# Altium PCB M2FS FLS Data Formatter 8_14_2012.PcbDoc (part 2 of 3)
Units mil, origin at the board's own origin, x right, y up, seen from the top; angles counter-clockwise.
Board outline 3350 x 3370 mil, 8 copper layers (Top Layer, Internal Plane 1, Mid-Layer 1, Mid-Layer 2, MidLayer3, Mid-Layer 4, Internal Plane 2, Bottom Layer), stack 60.7 mil thick; 134 components, 130 nets, 795 pads, 50 vias.
Unrouted connection lines stored in the file: 81.
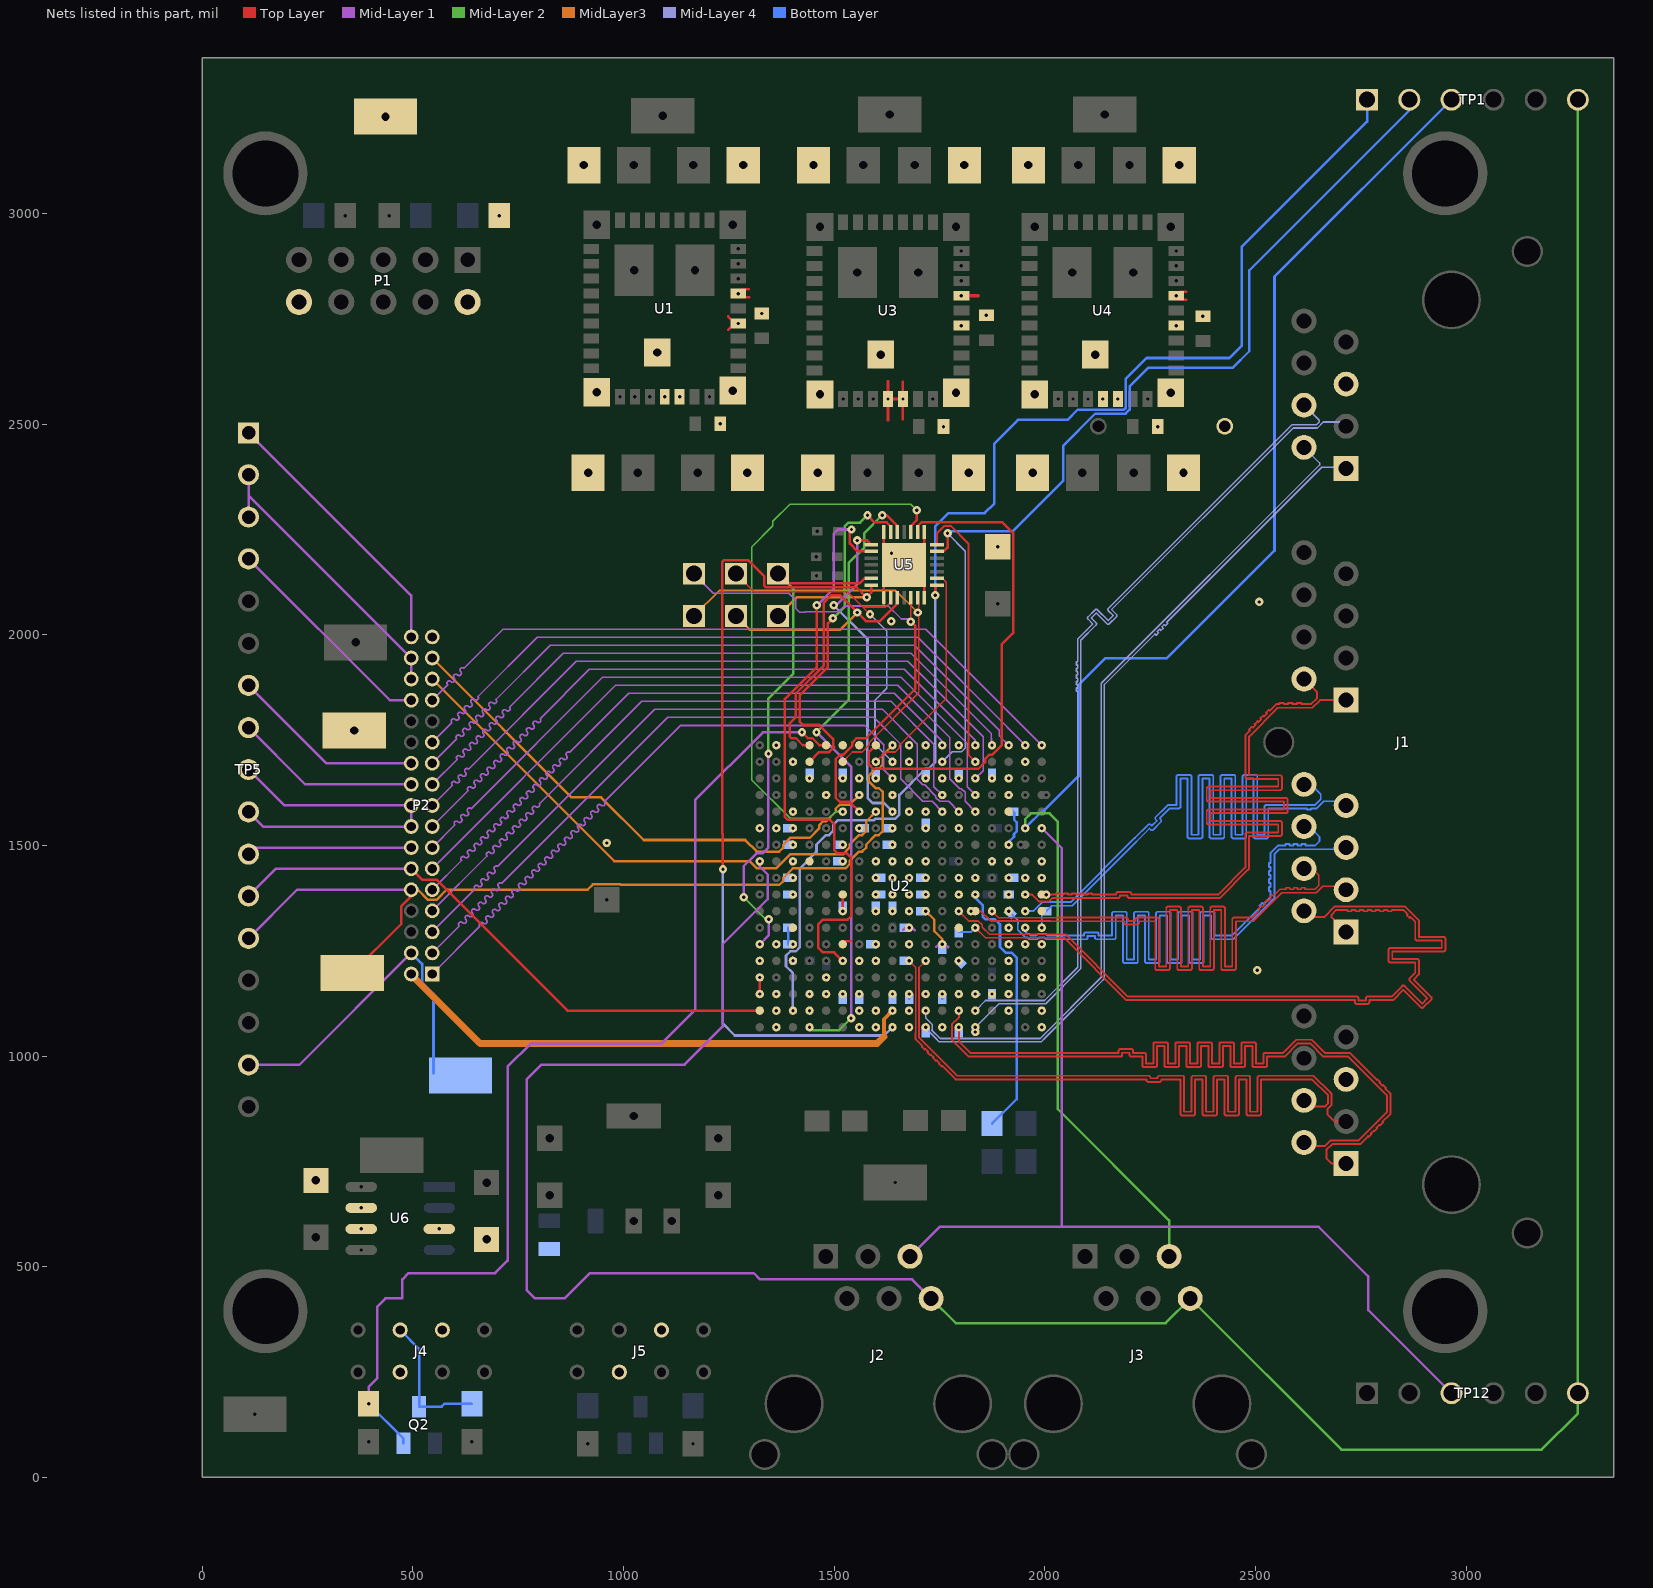
[diagram p8: the nets of this part, all layers, seen from the top]

## Via types
v1: diameter 20, hole 8, Top Layer to Bottom Layer, 49 vias
v2: diameter 20, hole 8, Top Layer to Bottom Layer, tented bottom, 1 vias

## Nets (pads, with @x,y where several pads share a name; then routed paths per layer and width w, separated by ;. In a path a pad name is that pad's centre, name@x,y a point inside that pad or via, vN(x,y) a via of type N, cw(c..) or ccw(c..) an arc to the next point about the centre after c; other vN are vias at no path point) (continued)
CAM_CLKA: P2.2 U2.U9 | length 1268.2
  MidLayer3 w9: 1618,1046 1618,1087.72 U2.U9@1638.32,1108.04
  MidLayer3 w16: P2.2@496,1195 496,1193.74 659.74,1030 1602,1030 1618,1046
CAM_D0: P2.23 U2.A17 | length 1665.1
  Mid-Layer 1 w4: P2.23@546,1745 592.5,1791.5 cw(c596.39,1795.39) 600.28,1799.28 ccw(c604.17,1803.17) 608.06,1807.06 cw(c611.95,1810.95) 615.83,1814.83 ccw(c619.72,1818.72) 623.61,1822.61 cw(c627.5,1826.5) 631.39,1830.39 ccw(c635.28,1834.28) 639.17,1838.17 cw(c643.06,1842.06) 646.95,1845.95 ccw(c649.99,1850.69) 654.73,1853.73 795,1994 1697.9,1994 1910.5,1781.4 1910.5,1780.74 U2.A17@1953.28,1737.96
CAM_D1: P2.21 U2.A16 | length 1665.1
  Mid-Layer 1 w4: P2.21@546,1695 604,1753 cw(c607.89,1756.89) 611.78,1760.78 ccw(c615.67,1764.67) 619.56,1768.56 cw(c623.45,1772.45) 627.33,1776.33 ccw(c631.22,1780.22) 635.11,1784.11 cw(c639,1788) 642.89,1791.89 ccw(c646.78,1795.78) 650.67,1799.67 cw(c654.56,1803.56) 658.45,1807.45 ccw(c662.34,1811.34) 666.23,1815.23 cw(c670.11,1819.11) 674,1823 ccw(c677.89,1826.89) 681.78,1830.78 cw(c685.67,1834.67) 689.56,1838.56 ccw(c693.43,1842.47) 697.34,1846.34 826,1975 1690.03,1975 1891.5,1773.53 1891.5,1762.24 1892.17,1761.57 1892.17,1759.7 U2.A16@1913.91,1737.96
CAM_D2: P2.19 U2.A15 | length 1663.2
  Mid-Layer 1 w4: P2.19@546,1645 605,1704 cw(c608.89,1707.89) 612.78,1711.78 ccw(c616.67,1715.67) 620.56,1719.56 cw(c624.45,1723.45) 628.33,1727.33 ccw(c632.22,1731.22) 636.11,1735.11 cw(c640,1739) 643.89,1742.89 ccw(c647.78,1746.78) 651.67,1750.67 cw(c655.56,1754.56) 659.45,1758.45 ccw(c663.34,1762.34) 667.23,1766.23 cw(c671.11,1770.11) 675,1774 ccw(c678.89,1777.89) 682.78,1781.78 cw(c686.67,1785.67) 690.56,1789.56 ccw(c694.45,1793.45) 698.34,1797.34 cw(c702.23,1801.23) 706.12,1805.12 ccw(c710.01,1809.01) 713.89,1812.89 cw(c717.78,1816.78) 721.67,1820.67 ccw(c725.56,1824.56) 729.45,1828.45 857,1956 1682.16,1956 1872.5,1765.66 1872.5,1754.37 1873.17,1753.7 1873.17,1747.7 1874,1746.87 1874,1738.5 U2.A15@1874.54,1737.96
CAM_D3: P2.17 U2.C14 | length 1660.9
  Mid-Layer 1 w3.5: U2.C14@1835.17,1659.22 1853.5,1677.55 1853.5,1757.79
  Mid-Layer 1 w4: P2.17@546,1595 593.5,1642.5 cw(c597.39,1646.39) 601.28,1650.28 ccw(c605.17,1654.17) 609.06,1658.06 cw(c612.95,1661.95) 616.83,1665.83 ccw(c620.72,1669.72) 624.61,1673.61 cw(c628.5,1677.5) 632.39,1681.39 888,1937 1674.29,1937 1853.5,1757.79
CAM_D4: P2.15 U2.A14 | length 1663
  Mid-Layer 1 w4: P2.15@546,1545 631,1630 cw(c634.89,1633.89) 638.78,1637.78 ccw(c642.67,1641.67) 646.56,1645.56 cw(c650.45,1649.45) 654.33,1653.33 ccw(c658.22,1657.22) 662.11,1661.11 cw(c666,1665) 669.89,1668.89 ccw(c673.78,1672.78) 677.67,1676.67 cw(c681.56,1680.56) 685.45,1684.45 ccw(c689.34,1688.34) 693.23,1692.23 cw(c697.11,1696.11) 701,1700 ccw(c704.89,1703.89) 708.78,1707.78 cw(c712.67,1711.67) 716.56,1715.56 ccw(c720.45,1719.45) 724.34,1723.34 cw(c728.23,1727.23) 732.12,1731.12 ccw(c736.01,1735.01) 739.89,1738.89 cw(c743.78,1742.78) 747.67,1746.67 ccw(c751.56,1750.56) 755.45,1754.45 cw(c759.34,1758.34) 763.23,1762.23 ccw(c767.12,1766.12) 771.01,1770.01 cw(c774.9,1773.9) 778.79,1777.79 ccw(c782.67,1781.67) 786.56,1785.56 cw(c790.45,1789.45) 794.34,1793.34 ccw(c798.23,1797.23) 802.12,1801.12 919,1918 1666.42,1918 1834.5,1749.92 1834.5,1738.63 U2.A14@1835.17,1737.96
CAM_D5: P2.13 U2.D14 | length 1663.6
  Mid-Layer 1 w3.5: 1815.5,1742.05 1815.5,1639.52 U2.D14@1835.17,1619.85
  Mid-Layer 1 w4: P2.13@546,1495 599.5,1548.5 cw(c603.39,1552.39) 607.28,1556.28 ccw(c611.17,1560.17) 615.06,1564.06 cw(c618.95,1567.95) 622.83,1571.83 ccw(c626.72,1575.72) 630.61,1579.61 cw(c634.5,1583.5) 638.39,1587.39 950,1899 1658.55,1899 1815.5,1742.05
CAM_D6: P2.11 U2.E14 | length 1663
  Mid-Layer 1 w3.5: 1774.5,1756.18 1774.5,1658.95 1798.35,1635.1 1802.11,1635.1 1811.05,1626.17 1811.05,1604.6 U2.E14@1835.17,1580.48
  Mid-Layer 1 w4: P2.11@546,1445 981,1880 1650.68,1880 1774.5,1756.18
CAM_D7: P2.9 U2.A12 | length 1665.1
  Mid-Layer 1 w4: P2.9@546,1395 615.5,1464.5 cw(c619.39,1468.39) 623.28,1472.28 ccw(c627.17,1476.17) 631.06,1480.06 cw(c634.95,1483.95) 638.83,1487.83 ccw(c642.72,1491.72) 646.61,1495.61 cw(c650.5,1499.5) 654.39,1503.39 ccw(c658.28,1507.28) 662.17,1511.17 cw(c666.06,1515.06) 669.95,1518.95 ccw(c673.84,1522.84) 677.73,1526.73 cw(c681.61,1530.61) 685.5,1534.5 ccw(c689.39,1538.39) 693.28,1542.28 cw(c697.17,1546.17) 701.06,1550.06 ccw(c704.95,1553.95) 708.84,1557.84 cw(c712.73,1561.73) 716.62,1565.62 ccw(c720.51,1569.51) 724.39,1573.39 cw(c728.28,1577.28) 732.17,1581.17 ccw(c736.06,1585.06) 739.95,1588.95 cw(c743.84,1592.84) 747.73,1596.73 ccw(c751.62,1600.62) 755.51,1604.51 cw(c759.4,1608.4) 763.29,1612.29 ccw(c767.17,1616.17) 771.06,1620.06 cw(c774.95,1623.95) 778.84,1627.84 ccw(c782.73,1631.73) 786.62,1635.62 cw(c790.51,1639.51) 794.4,1643.4 ccw(c798.29,1647.29) 802.18,1651.18 cw(c806.07,1655.07) 809.95,1658.95 ccw(c813.84,1662.84) 817.73,1666.73 cw(c821.62,1670.62) 825.51,1674.51 ccw(c829.4,1678.4) 833.29,1682.29 cw(c837.18,1686.18) 841.07,1690.07 ccw(c844.96,1693.96) 848.85,1697.85 cw(c852.73,1701.73) 856.62,1705.62 ccw(c860.51,1709.51) 864.4,1713.4 cw(c869.16,1716.42) 872.18,1721.18 1012,1861 1642.81,1861 1755.5,1748.31 1755.5,1738.89 U2.A12@1756.43,1737.96
CAM_D8: P2.7 U2.D12 | length 1665.1
  Mid-Layer 1 w3.5: 1736.5,1739 1736.5,1639.78 U2.D12@1756.43,1619.85
  Mid-Layer 1 w4: P2.7@546,1345 676,1475 cw(c679.89,1478.89) 683.78,1482.78 ccw(c687.67,1486.67) 691.56,1490.56 cw(c695.45,1494.45) 699.33,1498.33 ccw(c703.22,1502.22) 707.11,1506.11 cw(c711,1510) 714.89,1513.89 ccw(c718.78,1517.78) 722.67,1521.67 cw(c726.56,1525.56) 730.45,1529.45 ccw(c734.34,1533.34) 738.23,1537.23 cw(c742.11,1541.11) 746,1545 ccw(c749.89,1548.89) 753.78,1552.78 cw(c757.67,1556.67) 761.56,1560.56 ccw(c765.45,1564.45) 769.34,1568.34 cw(c773.23,1572.23) 777.12,1576.12 ccw(c781.01,1580.01) 784.89,1583.89 cw(c788.78,1587.78) 792.67,1591.67 ccw(c795.35,1596.77) 800.45,1599.45 1043,1842 1634.94,1842 1736.5,1740.44 1736.5,1739
CAM_D9: P2.5 U2.E13 | length 1662
  Mid-Layer 1 w3.5: 1697,1739 1697,1657.71 1710.74,1643.97 1714.5,1643.97 1741.18,1617.3 1741.18,1613.53 1750.11,1604.6 1771.68,1604.6 U2.E13@1795.8,1580.48
  Mid-Layer 1 w4: P2.5@546,1295 647,1396 cw(c650.89,1399.89) 654.78,1403.78 ccw(c658.67,1407.67) 662.56,1411.56 cw(c666.45,1415.45) 670.33,1419.33 ccw(c674.22,1423.22) 678.11,1427.11 cw(c682,1431) 685.89,1434.89 ccw(c689.78,1438.78) 693.67,1442.67 cw(c698.24,1445.87) 701.45,1450.45 1074,1823 1614.57,1823 1697,1740.57 1697,1739
CAM_D10: P2.3 U2.E12 | length 1664
  Mid-Layer 1 w3.5: 1657.5,1739 1657.5,1657.84 1710.74,1604.6 1732.31,1604.6 U2.E12@1756.43,1580.48
  Mid-Layer 1 w4: P2.3@546,1245 610,1309 cw(c613.89,1312.89) 617.78,1316.78 ccw(c621.67,1320.67) 625.56,1324.56 cw(c629.45,1328.45) 633.33,1332.33 ccw(c637.22,1336.22) 641.11,1340.11 cw(c645,1344) 648.89,1347.89 ccw(c652.78,1351.78) 656.67,1355.67 cw(c660.56,1359.56) 664.45,1363.45 ccw(c668.34,1367.34) 672.23,1371.23 cw(c676.11,1375.11) 680,1379 ccw(c683.89,1382.89) 687.78,1386.78 cw(c691.67,1390.67) 695.56,1394.56 ccw(c699.45,1398.45) 703.34,1402.34 cw(c707.48,1405.97) 711.12,1410.12 1105,1804 1594.2,1804 1657.5,1740.7 1657.5,1739
CAM_D11: P2.1 U2.C9 | length 1662.2
  Mid-Layer 1 w3.5: 1618,1739 1618,1679.54 U2.C9@1638.32,1659.22
  Mid-Layer 1 w4: P2.1@546,1195 659,1308 cw(c662.89,1311.89) 666.78,1315.78 ccw(c670.67,1319.67) 674.56,1323.56 cw(c678.45,1327.45) 682.33,1331.33 ccw(c686.22,1335.22) 690.11,1339.11 cw(c694,1343) 697.89,1346.89 ccw(c701.78,1350.78) 705.67,1354.67 cw(c709.56,1358.56) 713.45,1362.45 ccw(c717.34,1366.34) 721.23,1370.23 cw(c725.11,1374.11) 729,1378 ccw(c732.89,1381.89) 736.78,1385.78 cw(c740.67,1389.67) 744.56,1393.56 ccw(c748.45,1397.45) 752.34,1401.34 cw(c756.23,1405.23) 760.12,1409.12 ccw(c764.01,1413.01) 767.89,1416.89 cw(c771.78,1420.78) 775.67,1424.67 ccw(c779.56,1428.56) 783.45,1432.45 cw(c787.34,1436.34) 791.23,1440.23 ccw(c795.12,1444.12) 799.01,1448.01 cw(c802.9,1451.9) 806.79,1455.79 ccw(c810.67,1459.67) 814.56,1463.56 cw(c818.45,1467.45) 822.34,1471.34 ccw(c826.23,1475.23) 830.12,1479.12 cw(c834.01,1483.01) 837.9,1486.9 ccw(c841.79,1490.79) 845.68,1494.68 cw(c849.57,1498.57) 853.45,1502.45 ccw(c857.34,1506.34) 861.23,1510.23 cw(c865.12,1514.12) 869.01,1518.01 ccw(c872.9,1521.9) 876.79,1525.79 cw(c880.68,1529.68) 884.57,1533.57 ccw(c888.46,1537.46) 892.35,1541.35 cw(c896.23,1545.23) 900.12,1549.12 ccw(c904.01,1553.01) 907.9,1556.9 cw(c911.79,1560.79) 915.68,1564.68 ccw(c919.57,1568.57) 923.46,1572.46 cw(c927.35,1576.35) 931.24,1580.24 ccw(c935.13,1584.13) 939.01,1588.01 cw(c942.9,1591.9) 946.79,1595.79 ccw(c950.68,1599.68) 954.57,1603.57 1136,1785 1572,1785 1618,1739
CAM_DIGITAL: P2.30 P2.32 TP5.2 TP5.3 | length 696.3
  Mid-Layer 1 w6: TP5.3@110,2279.61 110,2331 ; TP5.2@110,2380 110,2331 ; P2.30@496,1895 P2.32@496,1945 110,2331
CAM_FLD: "TEST POINT 5.1" P2.10 TP5.13 U2.A9 | length 2149.5
  Top Layer w6: 356,1197 472,1313 472,1354.94 496,1378.94 P2.10@496,1395
  Mid-Layer 1 w6: TP5.13@110,1279.61 225.39,1395 P2.10@496,1395
  MidLayer3 w6: P2.10@496,1395 512.06,1395 536.06,1371 555.94,1371 579.94,1395 914.81,1395 927.31,1407.5 992.69,1407.5 993.69,1406.5 1369.56,1406.5 1379.22,1416.17 1379.22,1423.46 1401.63,1445.87 1527.04,1445.87 1536.7,1455.54 1536.7,1462.83 1559.11,1485.24 1566.41,1485.24 1576.07,1494.91 1576.07,1502.2 1598.48,1524.61 1605.78,1524.61 1615.45,1534.28 1615.45,1626.68 1605.78,1636.35 1598.48,1636.35 1582.45,1652.39 1582.45,1666.05 1598.48,1682.09 1605.78,1682.09 1615.45,1691.76 1615.45,1715.09 U2.A9@1638.32,1737.96
CAM_FLD_OUT: U2.E10
CAM_HS: P2.29 U2.E8 | length 1312.7
  MidLayer3 w6: P2.29@546,1895 978,1463 1299.39,1463 1316.52,1445.87 1362.26,1445.87 1395.26,1478.87 1520.67,1478.87 1536.7,1494.91 1536.7,1502.2 1559.11,1524.61 1566.41,1524.61 1576.07,1534.28 1576.07,1557.61 U2.E8@1598.95,1580.48
CAM_IO: P2.16 P2.18 TP5.9 TP5.10 | length 871.7
  Mid-Layer 1 w6: TP5.10@110,1579.8 144.8,1545 P2.16@496,1545 P2.18@496,1595 195.2,1595 TP5.9@110,1680.2
CAM_PCLK: P2.27 U2.A18 | length 1661.6
  Mid-Layer 1 w4: P2.27@546,1845 582.5,1881.5 cw(c586.39,1885.39) 590.28,1889.28 ccw(c594.17,1893.17) 598.06,1897.06 cw(c601.95,1900.95) 605.83,1904.83 ccw(c609.72,1908.72) 613.61,1912.61 cw(c617.5,1916.5) 621.39,1920.39 714,2013 1717.61,2013 U2.A18@1992.65,1737.96
CAM_VS: P2.31 U2.D7 | length 1272.6
  MidLayer3 w6: P2.31@546,1945 877,1614 947,1614 1048,1513 1288.76,1513 1316.52,1485.24 1369.56,1485.24 1379.22,1494.91 1379.22,1502.2 1395.26,1518.24 1441.93,1518.24 1464.33,1540.65 1464.33,1547.94 1474,1557.61 1481.3,1557.61 1503.7,1580.02 1503.7,1587.31 1513.37,1596.98 1536.7,1596.98 U2.D7@1559.57,1619.85
CMOS_OE: P2.12 TP5.12 U2.U1 | length 1379.9
  Top Layer w6: P2.12@496,1445 522,1419 555.94,1419 866.9,1108.04 U2.U1@1323.35,1108.04
  Mid-Layer 1 w6: TP5.12@110,1380 175,1445 P2.12@496,1445
CONF_DONE: R26.1 U2.K14 | length 629.4
  Bottom Layer w6: U2.K14@1835.17,1383.63 1835.17,1375.86 1853.04,1357.99 1853.04,1330.53 1858.31,1325.26 1881.04,1325.26 1893.54,1312.76 1893.54,1259.24 1907.79,1244.99 1921.71,1244.99 1932.75,1233.95 1932.75,897.75 R26.1@1875,840
DATA_CLK_OUT_A_N: J1.A5 U2.P11 | length 2009.2
  Top Layer w4: 1701.37,1044 1701.37,1210.46 U2.P11@1717.06,1226.15
  Top Layer w4.55: 1701.37,1044 1791.82,953.55 2247.62,953.55 2250.12,951.05 2250.12,947.55 2267.68,947.55 2267.68,951.05 2270.18,953.55 2328.02,953.55 2330.53,951.05 2330.53,867.97 2348.07,867.97 2348.07,951.05 2350.58,953.55 2380.22,953.55 2382.72,951.05 2382.72,867.97 2400.28,867.97 2400.28,951.05 2402.78,953.55 2432.42,953.55 2434.93,951.05 2434.93,867.97 2452.47,867.97 2452.47,951.05 2454.98,953.55 2484.62,953.55 2487.12,951.05 2487.12,867.97 2504.68,867.97 2504.68,951.05 2507.18,953.55 2637.54,953.55 2678.05,913.05 2680.55,910.54 2680.55,884.46 2678.05,881.95 2671.05,874.95 2671.05,861.05 2671,861 2687,845 2715,845
DATA_CLK_OUT_A_P: J1.A4 R21.2 U2.P10 | length 2009.3
  Top Layer w4: U2.P10@1677.69,1226.15 1693.37,1210.46 1693.37,1056 1693.1,1055.72 1693.1,1040.18 1693.37,1039.91
  Top Layer w4.55: 1693.37,1039.91 1709.13,1024.15 1707.72,1022.74 1714.47,1015.98 1715.88,1017.4 1722.64,1010.64 1721.22,1009.23 1727.97,1002.48 1729.39,1003.89 1736.14,997.14 1734.73,995.72 1741.48,988.97 1742.89,990.39 1749.65,983.63 1748.23,982.22 1754.99,975.47 1756.4,976.88 1788.28,945 2241.57,945 2241.57,941.5 2244.08,939 2273.72,939 2276.22,941.5 2276.22,945 2321.97,945 2321.97,861.92 2324.48,859.42 2354.12,859.42 2356.62,861.92 2356.62,945 2374.18,945 2374.18,861.92 2376.68,859.42 2406.32,859.42 2408.82,861.92 2408.82,945 2426.38,945 2426.38,861.92 2428.88,859.42 2458.52,859.42 2461.03,861.92 2461.03,945 2478.57,945 2478.57,861.92 2481.08,859.42 2510.72,859.42 2513.22,861.92 2513.22,945 2634,945 2672,907 2672,888 2665,881 2629,881 J1.A4@2615,895
DATA_CLK_OUT_B_N: J1.D5 R23.1 U2.V14 | length 2010.6
  Mid-Layer 4 w3.83: U2.V14@1835.17,1068.67 1891.17,1124.67 2002.06,1124.67 2085.33,1207.93 2085.33,1986.97 2121.54,2023.18 ccw(c2118.95,2025.77) 2122.61,2025.77 ccw(c2118.95,2025.77) 2121.54,2028.36 2109.99,2039.91 2121.88,2051.81 2147.58,2026.11 ccw(c2150.17,2028.7) 2152.76,2026.11 2169.83,2043.19 ccw(c2167.24,2045.78) 2170.91,2045.78 ccw(c2167.24,2045.78) 2169.83,2048.37 2158.28,2059.92 2589.18,2490.82 2646.82,2490.82 2661,2505 2705,2505 2715,2495
DATA_CLK_OUT_B_P: J1.D4 U2.U14 | length 2010.8
  Mid-Layer 4 w3.83: U2.U14@1835.17,1108.04 1859.12,1132 1999.03,1132 2078,1210.97 2078,1865.84 2075,1865.84 2075,1873.66 2078,1873.66 2078,1881.49 2075,1881.49 2075,1889.31 2078,1889.31 2078,1897.14 2075,1897.14 2075,1904.96 2078,1904.96 2078,1912.79 2075,1912.79 2075,1920.61 2078,1920.61 2078,1928.44 2075,1928.44 2075,1936.26 2078,1936.26 2078,1990 2113.77,2025.77 2102.22,2037.32 cw(c2104.81,2039.91) 2102.22,2042.5 2119.29,2059.58 cw(c2121.88,2056.99) 2124.47,2059.58 2150.17,2033.88 2162.06,2045.78 2150.51,2057.33 cw(c2153.1,2059.92) 2150.51,2062.51 2584,2496 2586.15,2498.15 2643.79,2498.15 2651,2505.36 2651,2509 J1.D4@2615,2545
DATA_CLK_OUTA: U2.U8
DATA_CLK_OUTB: U2.V8
DATA_READY: U2.H16
DTP: J2.6 J3.6 TP1.6 TP12.6 U2.H1 | length 7372
  Top Layer w6: U2.H1@1318.65,1460.35 1323.35,1460.35 U2.H1@1323.35,1462.37
  Mid-Layer 1 w6: U2.H1@1323.35,1462.37 1323.35,1449.87 1342.35,1430.87 1342.35,1373 1235,1265.65 1235,1070 1145,980 805,980 770,945 770,445 790,425 860,425 920,485 1309,485 1324,470 1685,470 J2.6@1730,425
  Mid-Layer 2 w6: J2.6@1730,425 1788.48,366.52 2286.52,366.52 J3.6@2345,425 2704,66 3179,66 3265,152 TP12.6@3265,200 TP1.6@3265,3270
EOS_A: J2.5 TP12.3 U2.F18 | length 2490.2
  Mid-Layer 1 w6: J2.5@1680,525 1750,595 2040,595 ; U2.F18@1992.65,1541.11 2040,1493.76 2040,595 ; TP12.3@2965,200 2767.5,397.5 2767.5,477.5 2650,595 2040,595
EOS_B: J3.5 TP1.3 U2.F17 | length 3488.7
  Mid-Layer 2 w6: U2.F17@1953.28,1541.11 1953.28,1562.28 1967,1576 2011,1576 2031,1556 2031,874 2295,610 J3.5@2295,525
  Bottom Layer w6: U2.F17@1953.28,1541.11 1995,1582.83 1998.38,1582.83 2080,1664.45 2080,1881 2143,1944 2289,1944 2545,2200 2545,2850 TP1.3@2965,3270
EOSA: U2.D16
EOSB: U2.C16
FRAME_CLK_OUT_A_N: J1.A1 R22.1 U2.V13 | length 2010.3
  Top Layer w4.55: U2.V13@1795.8,1068.67 1795.8,1035.2 1823.45,1007.55 2174.78,1007.55 2174.78,1014.05 2177.28,1016.55 2206.92,1016.55 2209.43,1014.05 2209.43,1007.55 2237.62,1007.55 2240.12,1005.05 2240.12,982.55 2257.68,982.55 2257.68,1030.05 2260.18,1032.55 2289.82,1032.55 2292.32,1030.05 2292.32,982.55 2309.88,982.55 2309.88,1030.05 2312.38,1032.55 2342.02,1032.55 2344.53,1030.05 2344.53,982.55 2362.07,982.55 2362.07,1030.05 2364.58,1032.55 2394.22,1032.55 2396.72,1030.05 2396.72,982.55 2414.28,982.55 2414.28,1030.05 2416.78,1032.55 2446.42,1032.55 2448.93,1030.05 2448.93,982.55 2466.47,982.55 2466.47,1030.05 2468.98,1032.55 2498.62,1032.55 2501.12,1030.05 2501.12,982.55 2518.68,982.55 2518.68,1005.05 2521.18,1007.55 2565.53,1007.55 2596.83,1038.85 2633.16,1038.85 2664.46,1007.55 2723.54,1007.55 2787.66,943.43 2789.07,944.85 2795.82,938.1 2794.41,936.68 2801.16,929.93 2802.58,931.34 2809.33,924.59 2807.92,923.18 2818.05,913.05 2820.55,910.54 2820.55,863.46 2818.05,860.95 2800.89,843.8 2802.31,842.39 2795.55,835.63 2794.14,837.05 2787.39,830.3 2788.8,828.88 2782.05,822.13 2780.64,823.54 2773.88,816.79 2775.3,815.38 2768.54,808.62 2767.13,810.04 2748.54,791.45 2682,791.45 2668,777.45 2668,758 2681,745 J1.A1@2715,745
FRAME_CLK_OUT_A_P: J1.A2 U2.U13 | length 2009.6
  Top Layer w4.55: U2.U13@1795.8,1108.04 1795.8,1091.68 1779.52,1075.41 1779.52,1039.39 1819.91,999 2180.82,999 2183.32,1001.5 2183.32,1008 2200.88,1008 2200.88,1001.5 2203.38,999 2231.57,999 2231.57,976.5 2234.08,974 2263.72,974 2266.22,976.5 2266.22,1024 2283.78,1024 2283.78,976.5 2286.28,974 2315.92,974 2318.43,976.5 2318.43,1024 2335.97,1024 2335.97,976.5 2338.48,974 2368.12,974 2370.62,976.5 2370.62,1024 2388.18,1024 2388.18,976.5 2390.68,974 2420.32,974 2422.82,976.5 2422.82,1024 2440.38,1024 2440.38,976.5 2442.88,974 2472.52,974 2475.03,976.5 2475.03,1024 2492.57,1024 2492.57,976.5 2495.08,974 2524.72,974 2527.22,976.5 2527.22,999 2569.07,999 2600.38,1030.3 2629.62,1030.3 2660.92,999 2720,999 2812,907 2812,867 2745,800 2678.46,800 2665.46,787 2623,787 J1.A2@2615,795
FRAME_CLK_OUT_B_N: J1.D1 R24.1 U2.V11 | length 2012.4
  Mid-Layer 4 w3.83: U2.V11@1717.06,1068.67 1717.06,1065.94 1742,1041 1748.42,1034.58 1991.94,1034.58 1998.36,1041 2139.18,1181.82 2141.32,1183.97 2141.32,1881.97 2261.48,2002.12 2264.31,1999.29 2269.84,2004.82 2267.01,2007.65 2272.55,2013.19 2275.37,2010.36 2280.91,2015.89 2278.08,2018.72 2283.61,2024.25 2286.44,2021.42 2291.97,2026.96 2289.14,2029.79 2657.18,2397.82 2712.18,2397.82 J1.D1@2715,2395
FRAME_CLK_OUT_B_P: J1.D2 U2.U11 | length 2011.5
  Mid-Layer 4 w3.83: U2.U11@1717.06,1108.04 1717.06,1090.46 1732.47,1075.05 1732.47,1062.28 1731.77,1061.59 1751.46,1041.9 1988.9,1041.9 2134,1187 2134,1885 2652,2403 2652,2408 J1.D2@2615,2445
FRAME_CLK_OUTA: U2.V7
FRAME_CLK_OUTB: U2.U7
GND: "TEST POINT 7.1" "TEST POINT 9.1" "TEST POINT 12.1" C1.2 C2.2 C3.2 C4.2 C5.2 C6.2 C7.2 C8.2 C9.2 C10.2 C11.2 C12.2 C13.1 C14.2 C15.2 C16.1 C17.2 C18.1 C19.2 C20.1 C21.2 C22.1 C23.1 C24.2 C25.2 C27.2 C28.1 C29.2 C30.1 C31.1 C32.1 C33.1 C34.2 C35.2 C36.2 C37.1 C38.2 C39.2 C40.1 C41.2 C42.2 C43.2 C44.2 C45.1 C46.2 C47.2 C49.2 C50.2 C51.1 C52.2 C53.2 C54.2 C55.2 C56.2 C61.2 C62.2 J4.3 J4.7 J5.3 J5.7 P1.2 P1.10 P2.4 P2.14 P2.20 P2.22 P2.28 P2.33 P2.34 R1.2 R2.2 R3.2 R4.2 R5.1 R6.2 R7.2 R10.1 R27.2 TP5.1 TP5.4 TP5.7 TP5.8 TP5.11 TP5.16 U1.1 U1.5 U1.7 U1.29 U1.33 U1.34 U1.37 U2.A2 U2.A10 U2.B10 U2.B17 U2.C4 U2.C6 U2.C8 U2.C11 U2.C12 U2.C13 U2.C15 U2.E3 U2.E11 U2.E16 U2.F1 U2.F2 U2.F3 U2.F7 U2.F9 U2.F11 U2.F13 U2.G3 U2.G6 U2.G9 U2.G16 U2.H3 U2.H4 U2.H6 U2.H8 U2.H9 U2.H10 U2.H11 U2.H15 U2.H18 U2.J3 U2.J8 U2.J9 U2.J10 U2.J11 U2.J13 U2.J14 U2.J16 U2.J17 U2.J18 U2.K3 U2.K6 U2.K8 U2.K9 U2.K10 U2.K11 U2.K13 U2.K16 U2.L6 U2.L8 U2.L9 U2.L10 U2.L11 U2.L18 U2.M10 U2.M13 U2.M16 U2.N2 U2.N3 U2.N6 U2.N8 U2.N10 U2.N12 U2.N16 U2.N17 U2.N18 U2.P3 U2.P8 U2.P13 U2.P16 U2.R1 U2.R5 U2.R16 U2.R17 U2.R18 U2.T1 U2.T2 U2.T5 U2.T6 U2.T7 U2.T9 U2.T10 U2.T11 U2.T12 U2.T13 U2.T14 U2.T15 U2.T16 U2.U2 U2.U10 U2.U16 U2.U18 U2.V2 U2.V10 U2.V12 U2.V18 U3.1 U3.5 U3.7 U3.29 U3.33 U3.34 U3.37 U4.1 U4.5 U4.7 U4.29 U4.33 U4.34 U4.37 U5.1 U5.7 U5.15 U5.21 U5.29 U6.3 U6.6 U6.7 | length 4334.4
  Top Layer w6: 1248.35,2723.93 1263.43,2739.02 U1.5@1265.16,2739.02 ; 1248.35,2755.83 U1.5@1265.16,2739.02 ; U1.5@1272.05,2739.02 U1.5@1265.16,2739.02 ; 1297,2820 1282.17,2820 U1.7@1272.05,2809.88 1280.93,2801 1298,2801 ; U2.T1@1323.35,1143.35 U2.T1@1323.35,1147.41 ; U2.R1@1323.35,1186.78 U2.T1@1323.35,1147.41 ; U2.T1@1325.41,1147.41 U2.T1@1323.35,1147.41 ; U2.V2@1359.33,1068.67 U2.V2@1362.72,1068.67 U2.V2@1367.67,1068.67 ; U2.N6@1520.2,1265.52 1527.69,1273 1539,1273 ; U2.L6@1520.2,1344.26 U2.K6@1520.2,1383.63 ; U5.1@1617.43,2092.41 U5.29@1617.43,2122.41 ; 1617.43,2218.41 U5.21@1617.43,2248.41 ; 1627.72,2509.28 U3.33@1627.72,2559.69 ; 1627.72,2601.28 U3.33@1627.72,2559.69 ; 1663.15,2512.15 U3.34@1663.15,2559.69 ; 1663.15,2600.15 U3.34@1663.15,2559.69 ; U5.7@1713.43,2092.41 U5.29@1713.43,2122.41 ; 1713.43,2218.41 U5.15@1713.43,2248.41 ; U2.U18@1988.02,1108.04 U2.U18@1992.65,1108.04 U2.U18@1992.65,1113.65 ; U2.L18@1992.65,1344.26 U2.L18@1998.74,1344.26 ; 2335.63,2795 2321.69,2795 U4.7@2311.93,2804.76 2321.62,2814.45 2335.63,2814.45 ; U3.33@1627.72,2559.69 U3.34@1663.15,2559.69
  Top Layer w8: U3.7@1801.93,2804.76 1842.24,2804.76
  Mid-Layer 1 w6: TP5.16@110,979.41 230.41,979.41 P2.4@496,1245 ; TP5.11@110,1479.41 125.59,1495 P2.14@496,1495 ; TP5.8@110,1779.61 244.61,1645 P2.20@496,1645 ; TP5.7@110,1880 295,1695 P2.22@496,1695 ; TP5.4@110,2180.2 445.2,1845 P2.28@496,1845 ; TP5.1@110,2479.41 496,2093.41 P2.34@496,1995 ; 1663.56,1299.04 1669.41,1304.89 U2.M10@1677.69,1304.89 1684.9,1304.89 1691.39,1298.4 ; 1742.3,1259.67 1748.15,1265.52 U2.N12@1756.43,1265.52 1763.64,1265.52 1770.13,1259.03
  MidLayer3 w6: U2.R1@1323.35,1186.78 U2.R1@1328.16,1186.78 ; U2.V2@1362.72,1068.67 U2.V2@1367.53,1068.67 ; U2.U2@1362.72,1101.13 U2.U2@1362.72,1108.04 U2.U2@1363.04,1108.04 ; U2.N3@1397.28,1265.52 U2.N3@1402.09,1265.52 U2.N3@1402.09,1268.09 ; U2.G6@1520.2,1495.16 U2.G6@1520.2,1501.74 ; U2.C8@1598.95,1659.22 U2.C8@1601.22,1659.22 ; U2.T11@1710.15,1147.41 U2.T11@1717.06,1147.41 ; U2.L11@1717.06,1344.26 1737.43,1323.89 1737.43,1297.02 1756.43,1278.02 U2.N12@1756.43,1265.52 ; U2.P13@1795.8,1228.8 U2.P13@1795.8,1226.15 U2.P13@1800.61,1226.15 ; U2.C15@1867.78,1659.22 U2.C15@1874.54,1659.22 ; U2.T15@1874.54,1147.41 U2.T15@1874.54,1151.46 ; U2.R16@1913.91,1186.78 U2.R16@1914.22,1186.78 ; U2.V18@1992.65,1068.67 U2.V18@1992.65,1073.4 ; U2.U18@1992.65,1108.04 U2.U18@1992.65,1111.65
  Bottom Layer w6: P2.4@496,1245 522,1219 522,1174.81 549,1147.81 549,959 ; C47.2@1391.46,1265.52 C43.2@1391.46,1304.89 ; C53.2@1677.69,1136.78 U2.T10@1677.69,1147.41 ; C52.2@1756.43,1136.78 U2.T12@1756.43,1147.41 ; U2.T14@1835.17,1147.41 1845.8,1147.41 ; U2.G16@1913.91,1501.74 1913.91,1508.23 1926.42,1520.74 1926.74,1520.74 1926.74,1527.07 1932.91,1533.24 1932.91,1555.15 1927,1561.05 1927,1578.02 C20.1@1924.54,1580.48
  other v1: 2504,1204 1635,2032 2509,2078 1636,2194
Hs: U2.A7
Hsyn: J4.6 Q2.3 R30.2 | length 328.1
  Bottom Layer w6: J4.6@470,350 515,305 Q2.3@515,168.31 568.31,168.31 575,175 R30.2@640,175
Hsync: Q2.2 R31.2 U2.A5 | length 2596.6
  Top Layer w6: v1(1423.5,1768.5) 1437.54,1754.46 1448.3,1754.46 1464.8,1737.96 U2.A5@1480.83,1737.96
  Mid-Layer 1 w6: R31.2@395,175 395,215 415,235 415,405 435,425 475,425 475,470 490,485 695,485 725,515 725,975 780,1030 1090,1030 1170,1110 1170,1607.94 1330.56,1768.5 v1(1423.5,1768.5)
  Bottom Layer w6: R31.2@395,175 477.6,92.4 Q2.2@477.6,81.69
IO1: TP8.1 U2.N1 U5.27 | length 1211.1
  Top Layer w6: TP8.1@1367,2145 1390,2122 1560.19,2122 U5.27@1572.19,2134
  Mid-Layer 1 w6: v1(1285.35,1377.12) 1285.35,1451.24 1315.48,1481.37 1329.85,1481.37 1343.72,1495.24 1343.72,1717.28 1343.5,1717.5 v2@1343,1718 ; U2.N1@1323.35,1265.52 1345,1287.16 v1(1345,1325)
  Mid-Layer 2 w6: v1(1285.35,1377.12) 1337.48,1325 v1(1345,1325) ; v2@1343,1718 1343.5,1718.5 v2@1343.72,1718.72 ; v2@1343.72,1717.51 1343.72,1718 v2@1343.72,1718.72 ; TP8.1@1367,2145 1403,2109 1403,1908 1343.72,1848.72 v2@1343.72,1718.72
  other v2: 1344,1718
IO2: TP11.1 U2.V9 U5.28 | length 2175
  Top Layer w6: v1(1236,1444) 1236,1526.39 1234.5,1527.89 1234.5,2173.69 1238.31,2177.5 1295.69,2177.5 1334.5,2138.69 1334.5,2116.31 1338.31,2112.5 1553.5,2112.5 v1(1577,2089) 1588,2100 U5.28@1588,2118
  MidLayer3 w6: TP11.1@1367,2045 1411,2089 v1(1577,2089)
  Mid-Layer 4 w6: v1(1236,1444) 1236,1077 1264,1049 1618.65,1049 U2.V9@1638.32,1068.67
IO3: TP7.1 U2.B9 U5.2 | length 833.4
  Top Layer w4: TP7.1@1267,2145 1309.5,2102.5 1531.5,2102.5 v1(1585,2049) ; 1569,2066 1621.93,2066 1634,2078.07 U5.2@1634,2088
  Mid-Layer 4 w4: v1(1585,2049) 1625,2009 1625,1873 1597,1845 1597,1739.91 U2.B9@1638.32,1698.59
IO4: TP10.1 U2.A4 U5.3 | length 963.1
  Top Layer w6: U2.A4@1441.46,1737.96 1425.43,1737.96 1408.93,1754.46 1398.54,1754.46 1395,1758 1395,1790.5 1408.5,1804 1408.5,1860.07 1475.5,1927.07 1475.5,2076.5 1493,2094 1514,2094 v1(1555,2053) 1575.5,2032.5 1608.19,2032.5 1650,2074.31 U5.3@1650,2088
  MidLayer3 w6: TP10.1@1267,2045 1299.5,2012.5 1514.5,2012.5 v1(1555,2053)
IO5: TP6.1 U2.E7 U5.5 | length 1230.7
  Top Layer w4: v1@1681.5,2031 1681.5,2087.5 U5.5@1682,2088
  Top Layer w6: U2.E7@1559.57,1580.48 1536.7,1603.35 1513.37,1603.35 1503.7,1613.02 1503.7,1705.42 1513.37,1715.09 1520.67,1715.09 1543.07,1737.5 1543.07,1744.79 1552.74,1754.46 1574.96,1754.46 1692.5,1872 1692.5,2020.5 v1(1682,2031)
  Mid-Layer 1 w4: TP6.1@1167,2145 1213,2099 1392,2099 1408.5,2082.5 1408.5,2062.58 1417.58,2053.5 1430.42,2053.5 1431.42,2054.5 1509.52,2054.5 1523.52,2068.5 1628.58,2068.5 1659.58,2037.5 1675.5,2037.5 v1(1682,2031)
IO6: TP9.1 U2.B6 U5.6 | length 1056.2
  Top Layer w4: U2.B6@1520.2,1698.59 1543.57,1721.96 1566.2,1721.96 1582.95,1738.7 1582.95,1744.59 1701,1862.64 1701,2053 1701,2085 U5.6@1698,2088
  MidLayer3 w4: TP9.1@1167,2045 1227,2105 1646,2105 v1(1698,2053)
IO7: TP1.1 U2.U3 U5.8 | length 3168
  Top Layer w6: U2.U3@1402.09,1108.04 1403,1107.13 U2.U3@1403,1102.09 ; v1(1740,2094) 1740,2114 U5.8@1744,2118
  MidLayer3 w6: U2.U3@1403,1102.09 U2.U3@1405.52,1104.61
  Mid-Layer 4 w6: U2.U3@1402.09,1108.04 1402.09,1196.96 1385.59,1213.46 1385.59,1238.84 1395.77,1249.02 1408.93,1249.02 1418.59,1258.68 1418.59,1445.87 1457.96,1485.24 1457.96,1502.3 1480.28,1524.61 1487.67,1524.61 1497.33,1534.28 1497.33,1548.33 1509,1560 1594.5,1560 1598.48,1563.98 1645.15,1563.98 1654.82,1573.65 1654.82,1620.31 1716.59,1682.09 1723.89,1682.09 1739.93,1698.13 1739.93,2093.93 v1(1740,2094)
  Bottom Layer w6: v1(1740,2094) 1740,2258 1771,2289 1857,2289 1880,2312 1880,2454 1936,2510 2053.51,2510 2078,2534.49 2187.65,2534.49 2191.46,2538.29 2191.46,2607 2241.46,2657 2438,2657 2467,2686 2467,2920.13 2765,3218.13 TP1.1@2765,3270
IO8: U2.B8 U5.9 | length 521.6
  Top Layer w4: U2.B8@1598.95,1698.59 1622.32,1721.96 1644.94,1721.96 1654.32,1731.33 1654.32,1737.22 1766,1848.9 1766,2124.99 U5.9@1756.99,2134
IO9: TP1.2 U2.B12 U5.13 | length 2363.3
  Top Layer w6: U5.13@1744,2198 1759.81,2198 1769,2207.19 v1(1769,2241)
  Mid-Layer 4 w4: U2.B12@1756.43,1698.59 1780.3,1722.46 1802.22,1722.46 1811.3,1731.54 1811.3,2198.7 v1(1769,2241)
  Bottom Layer w6: v1(1769,2241) 1773.5,2245.5 1923.31,2245.5 2043.19,2365.37 2043.19,2448.66 2119.51,2524.99 2191.59,2524.99 2200.96,2534.36 2200.96,2588.96 2246,2634 2446,2634 2485,2673 2485,2865 TP1.2@2865,3245
IO10: U2.B14 U5.14 | length 650.7
  Top Layer w5: U5.14@1744,2214 1744,2240.75 1761.75,2258.5 1776.25,2258.5 1819.17,2215.58 1819.17,1714.59 U2.B14@1835.17,1698.59
IO11: U2.A8 U5.16 | length 1169.6
  Top Layer w6: U2.A8@1598.95,1737.96 1582.45,1721.46 1582.45,1691.76 1592.11,1682.09 1842,1682.09 1858.04,1698.13 1858.04,1705.42 1867.7,1715.09 1875,1715.09 1897.41,1737.5 1897.41,1977 1924.5,2004.09 1924.5,2241.69 1898.69,2267.5 1707.81,2267.5 1698,2257.69 U5.16@1698,2244
IO12: U2.E6 U5.17 | length 1316.7
  Top Layer w6: U5.17@1682,2244 1682,2258.4 1696,2272.4 v1(1696,2296)
  Mid-Layer 2 w4: U2.E6@1520.2,1580.48 1503.46,1580.48 1487.46,1564.48 1395.47,1564.48 1304.35,1655.59 1304.35,2208.35 1354.5,2258.5 1354.5,2269.42 1395.08,2310 1682,2310 v1(1696,2296)
IO13: U2.V4 U5.19 | length 1469.4
  Top Layer w6: U2.V4@1441.46,1068.67 U2.V4@1444.37,1068.67 ; v1(1614,2284) 1624.4,2284 1650,2258.4 U5.19@1650,2244
  Mid-Layer 1 w6: v1(1458,1769) 1540,1687 v1(1540,1090)
  Mid-Layer 2 w6: U2.V4@1441.46,1068.67 1448.09,1062.04 1512.04,1062.04 v1(1540,1090) ; v1(1458,1769) 1534,1845 1534,2170 1571.5,2207.5 1571.5,2241.5 v1(1614,2284)
IO14: U2.B4 U5.20 | length 841.6
  Top Layer w6: U2.B4@1441.46,1698.59 1464.33,1721.46 1487.67,1721.46 1499.5,1733.29 1497.33,1735.46 1497.33,1753 1464.33,1786 1426,1786 1418,1794 1418,1856.13 1485,1923.13 1485,2027 v1(1497,2039) ; v1(1579,2284) 1596,2267 1624.69,2267 1634,2257.69 U5.20@1634,2244
  Mid-Layer 2 w6: v1(1497,2039) 1524.5,2066.5 1524.5,2256.83 1534.17,2266.5 1561.5,2266.5 v1(1579,2284)
IO15: U2.E9 U5.22 | length 786.1
  Top Layer w6: v1(1555,2224) 1578,2224 U5.22@1588,2214 ; U2.E9@1631.38,1580.48 U2.E9@1638.32,1580.48
  Mid-Layer 1 w6: v1@1501.5,2067.5 1555,2121 v1(1555,2224)
  Mid-Layer 4 w6: v1(1499,2070) 1579,1990 1579,1771.7 1578.57,1771.28 1578.57,1656 1579.95,1654.63 1579.95,1611.98 1591.08,1600.85 1617.95,1600.85 U2.E9@1638.32,1580.48
IO16: U2.P6 U5.23 | length 1439.4
  Top Layer w6: v1(1459,2070) 1459,1924 1383.09,1848.09 1383.09,1567.91 1390,1561 1490,1561 1499.83,1551.17 1499.83,1489.17 1507,1482 1529,1482 1540,1471 1540,1332 1531.89,1323.89 1472.96,1323.89 1461.83,1312.76 1461.83,1257.65 1472.96,1246.52 1499.83,1246.52 U2.P6@1520.2,1226.15 ; v1@1537,2246 1537,2216.54 1555.54,2198 U5.23@1588,2198
  Mid-Layer 1 w6: v1(1459,2070) 1499,2110 1499,2240 1509,2250 v1(1541,2250)
IO_5: U2.B3
IO_6: U2.C7
IO_7: U2.P7
IO_8: U2.A6
IO_9: U2.A11
IO_10: U2.A13
IO_11: U2.P1
IO_12: U2.D5
IO_13: U2.U4
IO_14: U2.M3
IO_15: U2.D9
IO_16: U2.T4
LVDS_CHANNEL_1_N: J1.B2 R20.1 U2.M14 | length 2010.5
  Top Layer w4: U2.M14@1835.17,1304.89 1859.04,1281.02 1999.07,1281.02 ; 1999.08,1281 2029,1281
  Top Layer w4.55: 2025.46,1280.72 2046,1280.72 2193.72,1133 2735.57,1133 2735.57,1128.28 ccw(c2739.85,1128.28) 2739.85,1124 2765.95,1124 ccw(c2765.95,1128.28) 2770.22,1128.28 2770.22,1133 2826.54,1133 2850.96,1157.42 2892.49,1115.89 ccw(c2895.51,1118.92) 2898.53,1115.89 2916.99,1134.35 ccw(c2913.96,1137.37) 2918.24,1137.37 ccw(c2913.96,1137.37) 2916.99,1140.4 2875.46,1181.92 2887.55,1194.01 2887.55,1226.75 ccw(c2883.28,1226.75) 2883.28,1231.03 2824.55,1231.03 2824.55,1248.57 2946.28,1248.57 ccw(c2946.28,1252.85) 2950.55,1252.85 2950.55,1278.95 ccw(c2946.28,1278.95) 2946.28,1283.22 2887.55,1283.22 2887.55,1322.54 2854.54,1355.55 2688.46,1355.55 2662.95,1330.05 2629.95,1330.05 J1.B2@2615,1345
  Bottom Layer w4.55: R20.1@1796,1294.31 1824.59,1294.31 U2.M14@1835.17,1304.89
LVDS_CHANNEL_1_P: J1.B1 U2.L13 | length 2009.8
  Top Layer w4: U2.L13@1795.8,1344.26 1819.17,1320.89 1841.79,1320.89 1851.17,1311.52 1851.17,1306.34 1868.49,1289.02 2002.38,1289.02 2029,1289
  Top Layer w4.55: 2029,1289.28 2049.54,1289.28 2197.27,1141.55 2739.85,1141.55 cw(c2739.85,1137.28) 2744.12,1137.28 2744.12,1132.55 2761.68,1132.55 2761.68,1137.28 cw(c2765.95,1137.28) 2765.95,1141.55 2823,1141.55 2847.94,1166.49 cw(c2850.96,1163.46) 2853.98,1166.49 2895.51,1124.96 2907.92,1137.37 2866.39,1178.9 cw(c2869.42,1181.92) 2866.39,1184.94 2879,1197.55 2879,1222.47 2820.28,1222.47 cw(c2820.28,1226.75) 2816,1226.75 2816,1252.85 cw(c2820.28,1252.85) 2820.28,1257.12 2942,1257.12 2942,1274.68 2883.28,1274.68 ; J1.B1@2715,1295 2680.5,1329.5 2680.5,1335.5 2692,1347 2718.32,1347 2718.32,1344 2727.88,1344 2727.88,1347 2737.43,1347 2737.43,1344 2746.97,1344 2746.97,1347 2756.53,1347 2756.53,1344 2766.07,1344 2766.07,1347 2775.62,1347 2775.62,1344 2785.18,1344 2785.18,1347 2794.72,1347 2794.72,1344 2804.28,1344 2804.28,1347 2813.82,1347 2813.82,1344 2823.38,1344 2823.38,1347 2851,1347 2861.13,1336.87 2859.01,1334.75 2865.76,1328 2867.88,1330.12 2879,1319 2879,1278.95 ccw(c2883.28,1278.95) 2883.28,1274.67
LVDS_CHANNEL_2_N: J1.B6 U2.L15 | length 2010.1
  Top Layer w4: U2.L15@1874.54,1344.26 1890.04,1328.76 2032,1328.76 ; 2504,1342 2510.27,1348.27 2507.44,1351.1 2513.81,1357.46 2516.63,1354.63 2523,1361 2520.17,1363.83 2526.53,1370.19 2529.36,1367.36 2535.73,1373.73 2532.9,1376.55 2539.26,1382.92 2542.09,1380.09 2558,1396 2572.5,1396 2572.5,1400 2581.5,1400 2581.5,1396 2590.5,1396 2590.5,1400 2599.5,1400 2599.5,1396 2608.5,1396 2608.5,1400 2617.5,1400 2617.5,1396 2641,1396 2650,1405 2650,1430 2635,1445 2615,1445
  Top Layer w4.55: 2032,1328.76 2192.85,1328.76 cw(c2192.85,1324.48) 2197.12,1324.48 2197.12,1320.76 2214.68,1320.76 2214.68,1324.48 ; 2214.67,1324.48 cw(c2218.95,1324.48) 2218.95,1328.76 2266.25,1328.76 cw(c2266.25,1324.48) 2270.53,1324.48 2270.53,1212.81 2288.07,1212.81 2288.07,1350.68 cw(c2292.35,1350.68) 2292.35,1354.96 2318.45,1354.96 cw(c2318.45,1350.68) 2322.72,1350.68 2322.72,1212.81 2340.28,1212.81 2340.28,1350.68 cw(c2344.55,1350.68) 2344.55,1354.96 2370.65,1354.96 cw(c2370.65,1350.68) 2374.93,1350.68 2374.93,1212.81 2392.47,1212.81 2392.47,1350.68 cw(c2396.75,1350.68) 2396.75,1354.96 2422.85,1354.96 cw(c2422.85,1350.68) 2427.12,1350.68 2427.12,1212.81 2444.68,1212.81 2444.68,1324.48 cw(c2448.95,1324.48) 2448.95,1328.76 2490.76,1328.76 2504,1342
LVDS_CHANNEL_2_P: J1.B3 R19.2 U2.L14 | length 2009.1
  Top Layer w4: U2.L14@1835.17,1344.26 1848,1344.26 1871.26,1321 1886.48,1321 1886.72,1320.76 2014,1320.76 2014.55,1320.21 2032,1320.21 ; 2510.05,1335.95 2562.09,1388 2644.31,1388 2659.31,1403 2707,1403 J1.B3@2715,1395
  Top Layer w4.55: 2032,1320.21 2188.57,1320.21 2188.57,1316.48 ccw(c2192.85,1316.48) 2192.85,1312.21 2218.95,1312.21 ccw(c2218.95,1316.48) 2223.22,1316.48 2223.22,1320.21 2261.97,1320.21 2261.97,1208.53 ccw(c2266.25,1208.53) 2266.25,1204.26 2292.35,1204.26 ccw(c2292.35,1208.53) 2296.62,1208.53 2296.62,1346.41 2314.18,1346.41 2314.18,1208.53 ccw(c2318.45,1208.53) 2318.45,1204.26 2344.55,1204.26 ccw(c2344.55,1208.53) 2348.83,1208.53 2348.82,1346.41 2366.38,1346.41 2366.38,1208.53 ccw(c2370.65,1208.53) 2370.65,1204.26 2396.75,1204.26 ccw(c2396.75,1208.53) 2401.03,1208.53 2401.03,1346.41 2418.57,1346.41 2418.57,1208.53 ccw(c2422.85,1208.53) 2422.85,1204.26 2448.95,1204.26 ccw(c2448.95,1208.53) 2453.22,1208.53 2453.22,1320.21 2494.3,1320.21 ; 2494.85,1320.76 2510.05,1335.95
LVDS_CHANNEL_3_N: J1.B4 R17.1 U2.M17 | length 2009.9
  Bottom Layer w4: 2615,1545 2627,1545 2652,1520 2652,1510.55 2641,1499.55
  Bottom Layer w4.55: R17.1@1953.28,1304.89 1953.28,1295.72 1959.31,1289.69 1963.29,1289.69 1966.99,1285.99 1978.94,1285.99 1982.64,1289.69 2002.66,1289.69 2006.36,1285.99 2092.78,1285.99 2092.78,1291.48 2095.28,1293.99 2124.92,1293.99 2127.43,1291.48 2127.43,1285.99 2159.78,1285.99 2159.78,1340.23 2162.28,1342.73 2191.92,1342.73 2194.43,1340.23 2194.43,1229.24 2211.97,1229.24 2211.97,1340.23 2214.48,1342.73 2244.12,1342.73 2246.62,1340.23 2246.62,1229.24 2264.18,1229.24 2264.18,1340.23 2266.68,1342.73 2296.32,1342.73 2298.82,1340.23 2298.82,1229.24 2316.38,1229.24 2316.38,1340.23 2318.88,1342.73 2348.52,1342.73 2351.03,1340.23 2351.03,1229.24 2368.57,1229.24 2368.57,1340.23 2371.08,1342.73 2400.72,1342.73 2403.22,1340.23 2403.22,1285.99 2443.99,1285.99 2512.36,1354.36 2509.54,1357.19 2516.29,1363.95 2519.12,1361.12 2536,1378 2536,1391.82 2532,1391.82 2532,1401.37 2536,1401.37 2536,1410.92 2532,1410.92 2532,1420.47 2536,1420.47 2536,1430.02 2532,1430.02 2532,1439.57 2536,1439.57 2536,1449.12 2532,1449.12 2532,1458.67 2536,1458.67 2536,1482.54 2553.01,1499.55 2570.93,1499.55 2570.93,1503.55 2580.47,1503.55 2580.47,1499.55 2590.03,1499.55 2590.03,1503.55 2599.57,1503.55 2599.57,1499.55 2609.12,1499.55 2609.12,1503.55 2618.68,1503.55 2618.68,1499.55 2641,1499.55
LVDS_CHANNEL_3_P: J1.B5 R17.2 U2.L16 | length 2010.8
  Bottom Layer w4.55: R17.2@1917.92,1340.24 1936.16,1322 1936.16,1313.62 1935.73,1313.19 1935.73,1300.12 1954.72,1281.14 1959.74,1281.14 1963.44,1277.44 1982.48,1277.44 1986.18,1281.14 1999.11,1281.14 2002.81,1277.44 2098.82,1277.44 2101.32,1279.94 2101.32,1285.44 2118.88,1285.44 2118.88,1279.94 2121.38,1277.44 2165.82,1277.44 2168.32,1279.94 2168.32,1334.18 2185.88,1334.18 2185.88,1223.19 2188.38,1220.69 2218.02,1220.69 2220.53,1223.19 2220.53,1334.18 2238.07,1334.18 2238.07,1223.19 2240.58,1220.69 2270.22,1220.69 2272.72,1223.19 2272.72,1334.18 2290.28,1334.18 2290.28,1223.19 2292.78,1220.69 2322.42,1220.69 2324.93,1223.19 2324.93,1334.18 2342.47,1334.18 2342.47,1223.19 2344.98,1220.69 2374.62,1220.69 2377.12,1223.19 2377.12,1334.18 2394.68,1334.18 2394.68,1279.94 2397.18,1277.44 2447.53,1277.44 2544.55,1374.46 2544.55,1479 2556.55,1491 2711,1491 J1.B5@2715,1495
LVDS_CHANNEL_4_N: J1.B7 R18.1 U2.M18 | length 2011.9
  Bottom Layer w4: 2217.61,1509.61 2248.39,1540.39 2252.28,1536.51 2255.82,1536.51 2276.39,1557.08 2276.39,1560.62 2272.51,1564.51 2282.95,1574.95
  Bottom Layer w4.55: U2.M18@1992.65,1304.89 1992.65,1333.66 R18.1@2003.3,1344.31 2015.99,1357 2065,1357 2217.61,1509.61 ; 2282.95,1574.95 2296,1588 2318.92,1588 2321.43,1590.5 2321.43,1659.15 2338.97,1659.15 2338.97,1519.35 2341.48,1516.85 2371.12,1516.85 2373.62,1519.35 2373.62,1659.15 2391.18,1659.15 2391.18,1519.35 2393.68,1516.85 2423.32,1516.85 2425.82,1519.35 2425.82,1659.15 2443.38,1659.15 2443.38,1519.35 2445.88,1516.85 2475.52,1516.85 2478.03,1519.35 2478.03,1659.15 2495.57,1659.15 2495.57,1519.35 2498.08,1516.85 2527.72,1516.85 2530.22,1519.35 2530.22,1588 2621.68,1588 2621.68,1585 2631.22,1585 2631.22,1588 2645.09,1588 2662.05,1604.95 2705.04,1604.95 J1.B7@2715,1595
LVDS_CHANNEL_4_P: J1.B8 U2.L17 | length 2011.7
  Bottom Layer w4: 2213.91,1518 2246.62,1550.72 2250.17,1550.72 2254.05,1546.83 2266.07,1558.85 2262.19,1562.74 2262.19,1566.28 2276.91,1581 ; J1.B8@2615,1645 2632,1645 2655,1622 2655,1610 2641.55,1596.55
  Bottom Layer w4.55: U2.L17@1953.28,1344.26 1972.58,1344.26 1993.87,1365.55 2061.46,1365.55 2213.91,1518 ; 2276.91,1581 2292.46,1596.55 2312.88,1596.55 2312.88,1665.2 2315.38,1667.7 2345.02,1667.7 2347.53,1665.2 2347.53,1525.4 2365.07,1525.4 2365.07,1665.2 2367.58,1667.7 2397.22,1667.7 2399.72,1665.2 2399.72,1525.4 2417.28,1525.4 2417.28,1665.2 2419.78,1667.7 2449.42,1667.7 2451.93,1665.2 2451.93,1525.4 2469.47,1525.4 2469.47,1665.2 2471.98,1667.7 2501.62,1667.7 2504.12,1665.2 2504.12,1525.4 2521.68,1525.4 2521.68,1594.05 2524.18,1596.55 2641.55,1596.55
LVDS_CHANNEL_5_N: J1.C2 R16.2 U2.K18 | length 2009.1
  Top Layer w4.55: U2.K18@1992.65,1383.63 2003,1383.63 2025.78,1383.63 2025.78,1385.63 2035.32,1385.63 2035.32,1383.63 2044.88,1383.63 2044.88,1385.63 2054.43,1385.63 2054.43,1383.63 2063.97,1383.63 2063.97,1385.63 2073.53,1385.63 2073.53,1383.63 2083.07,1383.63 2083.07,1385.63 2092.62,1385.63 2092.62,1383.63 2102.18,1383.63 2102.18,1385.63 2111.72,1385.63 2111.72,1383.63 2169.28,1383.63 2169.28,1385.36 cw(c2173.55,1385.36) 2173.55,1389.63 2200.65,1389.63 cw(c2200.65,1385.36) 2204.93,1385.36 2204.93,1383.63 2411.63,1383.63 2476,1448 2476,1526.95 cw(c2480.28,1526.95) 2480.28,1531.22 2553.85,1531.22 2553.85,1549.78 2388.58,1549.78 cw(c2388.58,1554.05) 2384.3,1554.05 2384.3,1581.15 cw(c2388.58,1581.15) 2388.58,1585.43 2567.7,1585.43 2567.7,1603.97 2388.58,1603.97 cw(c2388.58,1608.25) 2384.3,1608.25 2384.3,1635.35 cw(c2388.58,1635.35) 2388.58,1639.62 2553.85,1639.62 2553.85,1658.18 2480.28,1658.18 ; 2480.28,1658.17 cw(c2480.28,1662.45) 2476,1662.45 2476,1762 2486.6,1772.6 2484.48,1774.72 2491.23,1781.47 2493.35,1779.35 2500.11,1786.11 2497.99,1788.23 2504.74,1794.98 2506.86,1792.86 2513.61,1799.61 2511.49,1801.73 2518.24,1808.49 2520.36,1806.36 2527.12,1813.12 2525,1815.24 2531.75,1821.99 2533.87,1819.87 2547,1833 2549.5,1835.5 2556.43,1835.5 2556.43,1838.5 2566.97,1838.5 2566.97,1835.5 2577.53,1835.5 2577.53,1838.5 2588.07,1838.5 2588.07,1835.5 2598.62,1835.5 2598.62,1838.5 2609.18,1838.5 2609.18,1835.5 2631.41,1835.5 2645.95,1850.05 2645.95,1864.04 J1.C2@2615,1895
LVDS_CHANNEL_5_P: J1.C1 U2.K17 | length 2009.4
  Top Layer w4.55: U2.K17@1953.28,1383.63 1969.63,1383.63 1986.22,1367.04 2009.74,1367.04 2017.78,1375.08 2173.55,1375.08 ccw(c2173.55,1379.36) 2177.83,1379.36 ; 2177.82,1379.36 2177.82,1381.08 2196.38,1381.08 2196.38,1379.36 ccw(c2200.65,1379.36) 2200.65,1375.08 2415.17,1375.08 2482.05,1441.95 2484.55,1444.46 2484.55,1522.68 2558.12,1522.68 ; 2558.12,1522.67 ccw(c2558.12,1526.95) 2562.4,1526.95 2562.4,1554.05 ccw(c2558.12,1554.05) 2558.12,1558.33 ; 2558.12,1558.32 2392.85,1558.32 2392.85,1576.88 2571.97,1576.88 ccw(c2571.97,1581.15) 2576.25,1581.15 2576.25,1608.25 ccw(c2571.97,1608.25) 2571.97,1612.53 2392.85,1612.53 2392.85,1631.07 2558.12,1631.07 ccw(c2558.12,1635.35) 2562.4,1635.35 2562.4,1662.45 ccw(c2558.12,1662.45) 2558.12,1666.72 2484.55,1666.72 2484.55,1758.46 2553.05,1826.95 2634.95,1826.95 2653,1845 J1.C1@2715,1845